# Altium PCB CL-HC-M-V2.2.PcbDoc (part 11 of 18) (continued)
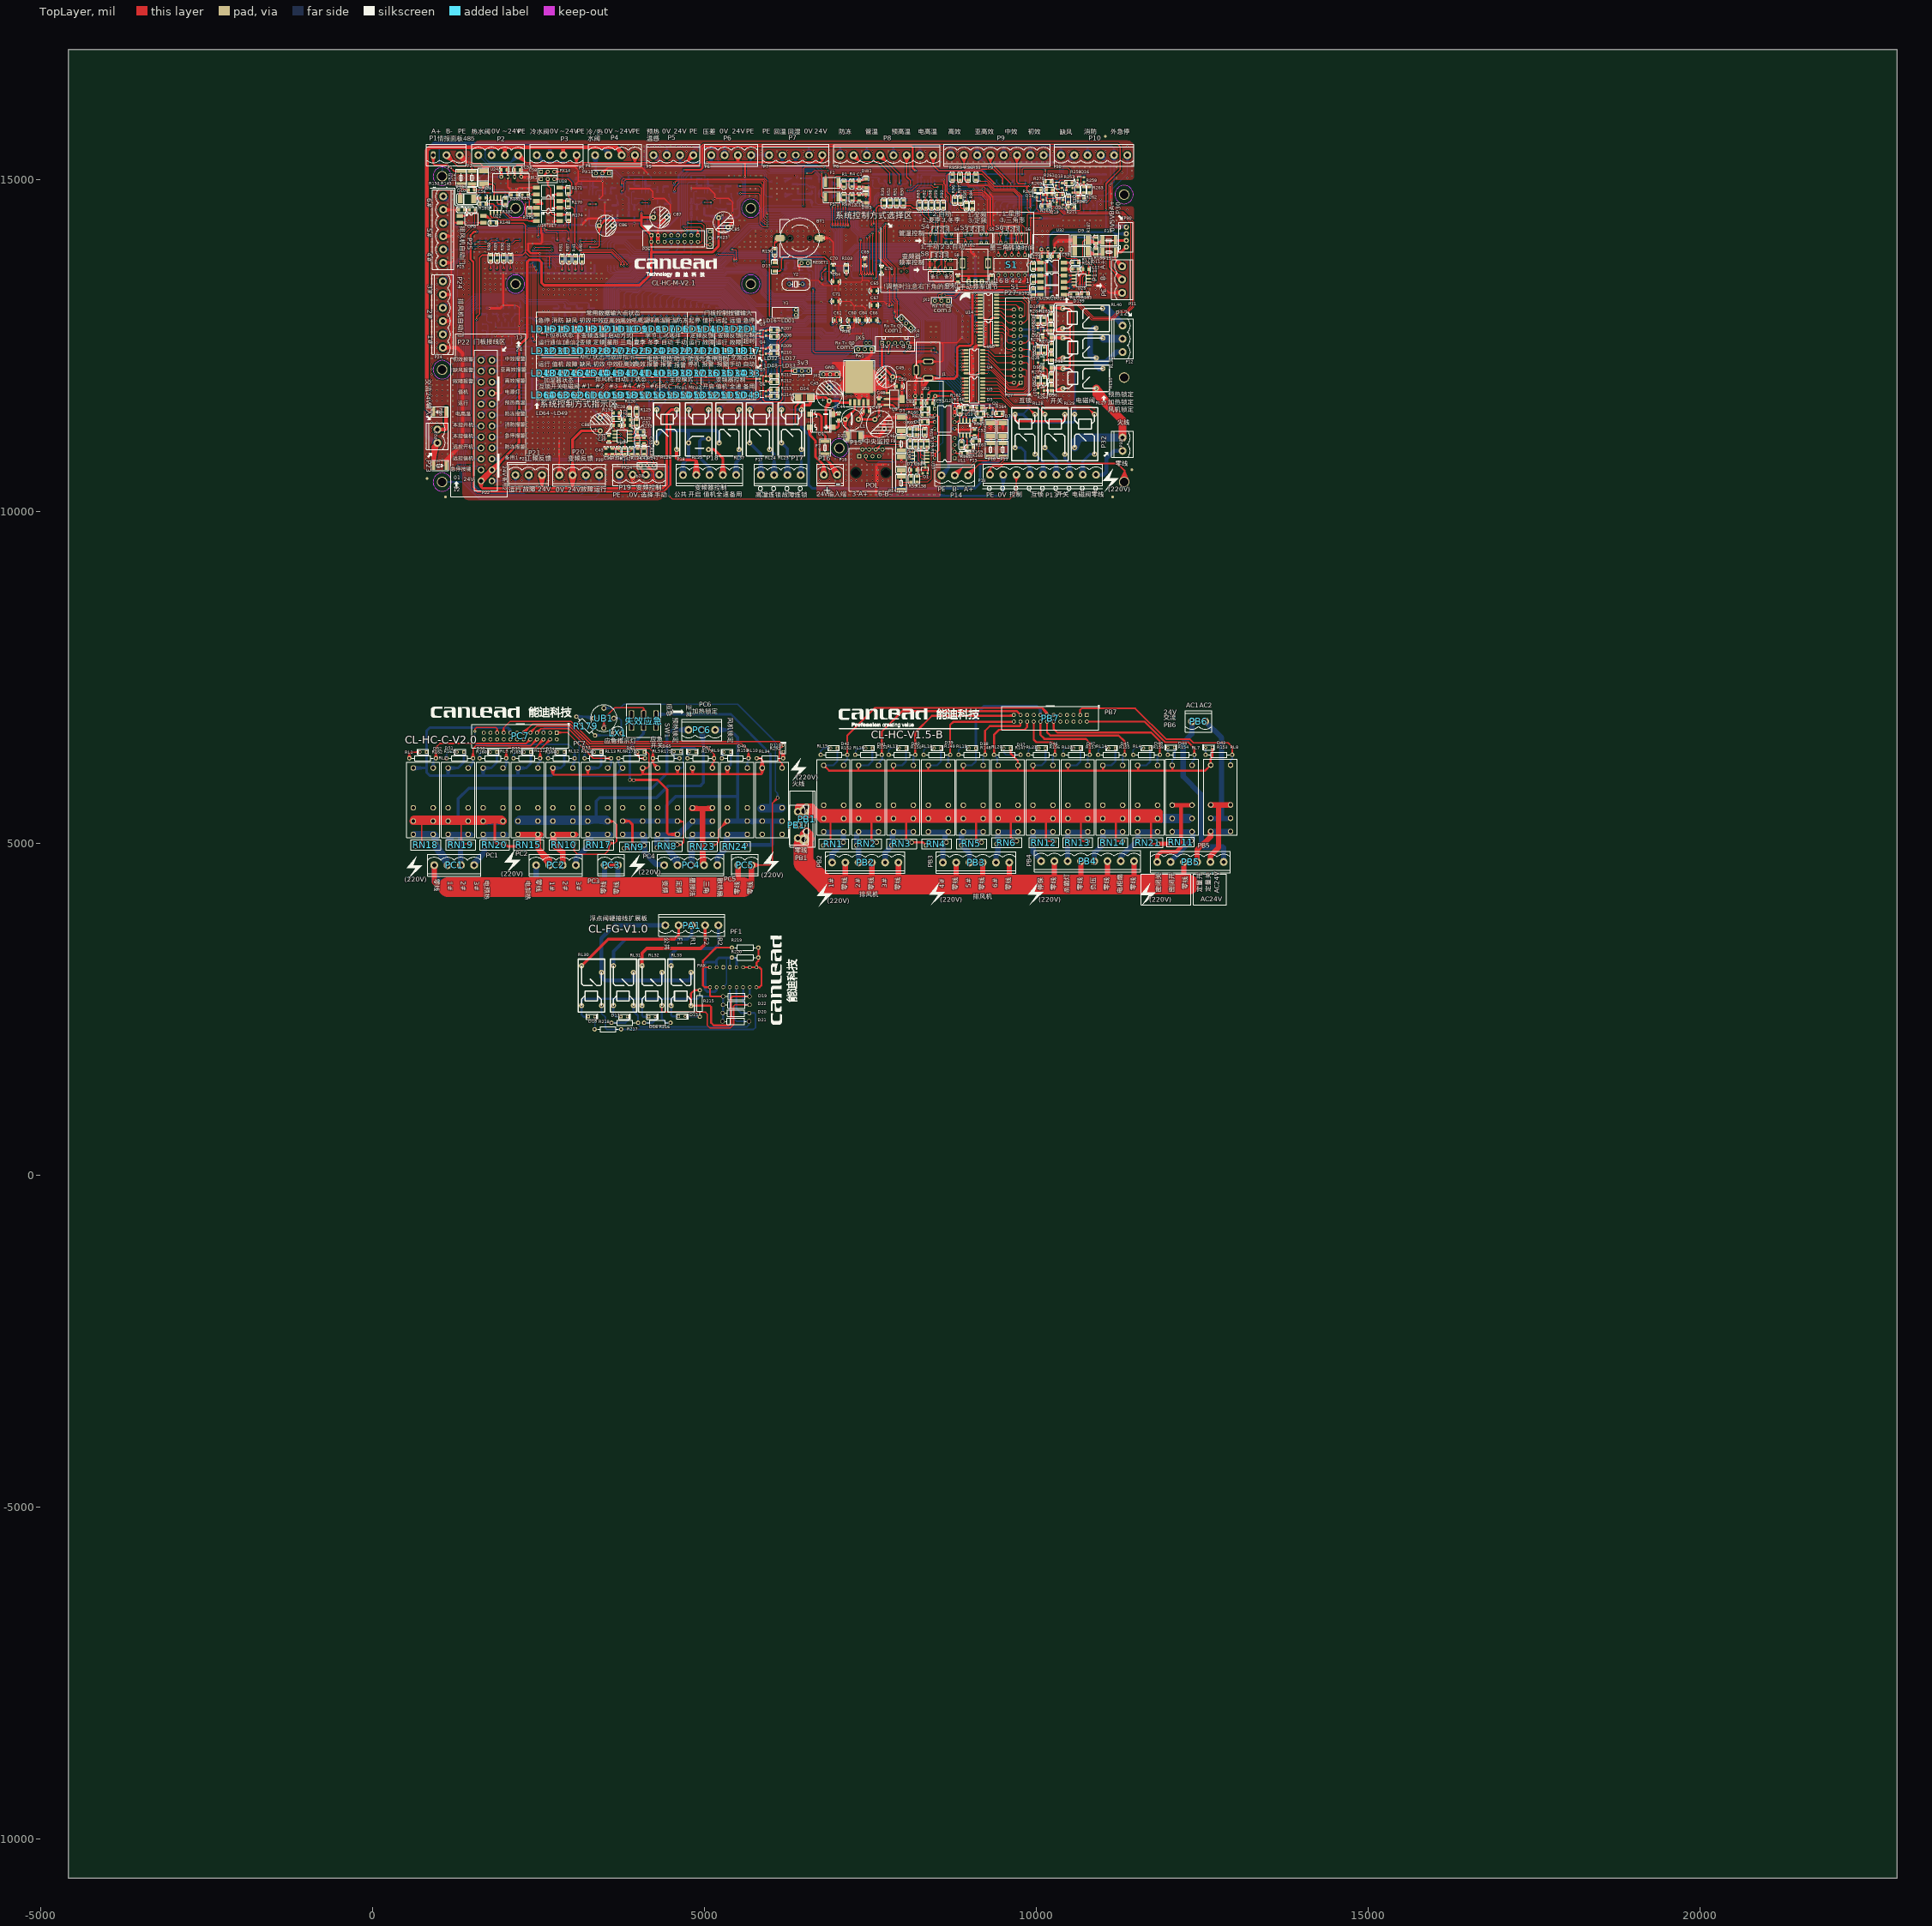
[diagram p0: TopLayer view]
## Nets (pads, with @x,y where several pads share a name; then routed paths per layer and width w, separated by ;. In a path a pad name is that pad's centre, name@x,y a point inside that pad or via, vN(x,y) a via of type N, cw(c..) or ccw(c..) an arc to the next point about the centre after c; other vN are vias at no path point) (continued)
JTCK: J2.3 U33.109 | length 948.5
  BottomLayer w10: 7612.94,12703.25 U33.109@7612.94,12738 ; U33.109@7612.94,12768.25 7612.94,12510.09 7641.78,12481.24 7815.27,12481.24 J2.3@7873.58,12539.55 7822.84,12488.81 ; J2.3@7853.53,12553.68 7822.84,12488.81 ; J2.3@7862.32,12548.73 7822.84,12488.81 ; J2.3@7882.76,12528.29 7822.84,12488.81 ; J2.3@7887.7,12519.5 7822.84,12488.81
JTMS: J2.4 U33.105 | length 799.7
  BottomLayer w10: U33.105@7695.61,12909.98 7767.2,12909.98 7972.01,12705.17 J2.4@7972.01,12539.55 ; U33.105@7725.86,12909.98 7760.61,12909.98 ; J2.4@7948,12544.6 7972.01,12599.08 ; J2.4@7957.59,12541.32 7972.01,12599.08 ; J2.4@7986.42,12541.32 7972.01,12599.08 ; J2.4@7996.01,12544.6 7972.01,12599.08
L: P32.2 pad.0@6501.78,5487.55 PB1'.3 PB1.2 RL4.4 RL7.4 RL14.4 RL15.4 RL16.4 RL17.4 RL18.4 RL19.4 RL20.4 RL21.4 RL22.4 RL27.4 RL35.4 RN1.1 RN2.1 RN3.1 RN4.1 RN5.1 RN6.1 RN11.1 RN12.1 RN13.1 RN14.1 RN21.1 | length 10736.1
  TopLayer w30: RN1.1@6793.15,4968.87 6877.6,4968.87 6901.64,4992.91 6901.64,5360.51 6893.3,5368.85 RL15.4@6802.33,5368.85 ; RN2.1@7602.79,5020.73 7539.68,5020.73 7516.17,5044.24 7516.17,5360.51 7524.51,5368.85 RL16.4@7615.49,5368.85 ; RN3.1@8123.13,5016.27 8295.76,5016.27 RN4.1@8343.15,4968.87 ; RN3.1@8128.5,5020.73 8080.53,5020.73 8041.88,5059.38 8041.88,5360.51 8050.22,5368.85 RL17.4@8141.2,5368.85 ; RN5.1@9179.93,5020.73 9131.96,5020.73 9093.31,5059.38 9093.31,5360.51 9101.65,5368.85 RL19.4@9192.62,5368.85 ; RN6.1@9705.51,5020.73 RN6.1@9705.64,5020.73 ; RN6.1@9705.51,5034.54 9675.49,5034.54 9619.02,5091.01 9619.02,5360.51 9627.36,5368.85 RL20.4@9718.33,5368.85 ; RL21.4@10248.32,5368.85 10157.34,5368.85 10149,5360.51 10149,5059.38 10173.84,5034.54 RN12.1@10254.07,5034.54 ; RL22.4@10774.03,5368.85 10683.05,5368.85 10674.71,5360.51 10674.71,5059.38 10699.56,5034.54 RN13.1@10775.51,5034.54 RN13.1@10779.78,5034.54 ; RL14.4@11299.74,5368.85 11208.77,5368.85 11200.42,5360.51 11200.42,5059.38 11225.27,5034.54 RN14.1@11305.51,5034.54 ; RL4.4@11828.22,5373.61 11737.25,5373.61 11728.9,5365.27 11728.9,5011.13 11751.17,4988.87 RN21.1@11833.98,4988.87
  TopLayer w60: RN21.1@11833.98,4988.87 11838.54,4993.43 RN11.1@12032.17,4993.43 ; 11895.09,4988.87 RN11.1@12017.01,4988.87
  TopLayer w118.11: 11165.5,11509.23 RL35.4@10904.37,11855 ; P32.2@11300.57,11114.37 11300.57,11374.16 10904.37,11770.37 ; 10904.37,11770.37 RL35.4@10904.37,11855 ; 10904.37,11770.37 RL35.4@10904.37,11855
  BottomLayer w60: RL4.4@11828.99,5375.17 11830.12,5376.29 RL7.4@12049.02,5376.29 RL7.4@12349.02,5376.29 ; 11862.34,5432.28 11880.62,5414 12311.31,5414 RL7.4@12349.02,5376.29 ; 11880.62,5338.58 11885.75,5333.44 12306.17,5333.44 RL7.4@12349.02,5376.29
  BottomLayer w118.11: 11165.5,11509.23 RL35.4@10904.37,11855 ; RL27.4@10579.6,10963.92 10579.6,11048.81 ; RL27.4@10579.6,10963.92 10645.17,11114.37 ; RL27.4@10579.6,10963.92 10579.6,11048.81 ; 10579.6,11048.81 10645.17,11114.37 ; 10645.17,11114.37 P32.2@11300.57,11114.37 11300.57,11374.16 10904.37,11770.37 ; 10904.37,11770.37 RL35.4@10904.37,11855 ; 10904.37,11770.37 RL35.4@10904.37,11855
LAMP-EX1: P22.20 U27.16 | length 5617.3
  BottomLayer w20: P22.20@1801.8,10811.96 1910.8,10795.68 ; P22.20@1803.14,10772.15 1910.8,10795.68 ; P22.20@1806.6,10831.55 1910.8,10795.68 ; P22.20@1809.23,10752.92 1910.8,10795.68 ; 5785.95,11818.83 U27.16@5860.95,11818.83 4306.72,11818.83 4168.4,11680.52 4168.4,10817.29 4146.8,10795.68 1804.35,10795.68 P22.20@1800.66,10791.99 1910.8,10795.68
LAMP-EX2: P22.24 U27.15 | length 5908.8
  BottomLayer w20: P22.24@1802.48,10441.37 1910.66,10461.29 ; P22.24@1802.48,10481.2 1910.66,10461.29 ; P22.24@1807.93,10421.95 1910.66,10461.29 ; P22.24@1807.93,10500.62 1910.66,10461.29 ; U27.15@5910.95,11793.83 5910.95,11758.55 ; U27.15@5910.95,11818.83 5910.95,11758.55 ; 1910.66,10461.29 P22.24@1800.66,10461.29 1973.82,10461.29 1990.55,10478.02 1990.55,10682.34 2075.89,10767.68 4175.65,10767.68 4199.67,10791.71 4199.67,11638.24 4300.73,11739.29 5891.69,11739.29 5910.95,11758.55
LED-COM01: R207.2 R208.2 U33.140 | length 1780.1
  TopLayer w10: R208.2@6081.3,12643.23 6096.13,12690.98 ; R207.2@6081.3,12733.73 6096.13,12685.98 ; R208.2@6096.13,12635.98 R207.2@6096.13,12740.98 6150.04,12740.98 ; R208.2@6096.13,12640.98 6096.13,12690.98 ; R207.2@6096.13,12735.98 6096.13,12685.98 ; R207.2@6098.38,12726.15 6146.13,12740.98 R207.2@6098.38,12755.81 ; R208.2@6110.96,12643.23 6096.13,12690.98 ; R207.2@6110.96,12733.73 6096.13,12685.98 ; v1@6149.68,12719.55 6150.04,12740.98 ; v1@6163.63,12724.39 6150.04,12740.98 ; 6150.04,12740.98 6157.08,12733.94 ; 6150.04,12740.98 v1(6157.08,12720.73) ; v1(6157.08,12720.73) 6157.08,12733.94 ; v1(6157.08,12720.73) 6157.08,12733.94 ; 6157.08,12733.94 6149.89,12722.86 6157.08,12733.94 ; 6157.08,12733.94 6164.27,12722.86 6157.08,12733.94
  BottomLayer w10: v1(6157.08,12720.73) 6748.74,12720.73 6799.21,12670.26 6974.29,12670.26 7002.7,12698.67 U33.140@7002.7,12768.25 ; v1@6157.74,12713.26 6199.58,12720.73 v1@6157.74,12728.2 ; 7002.7,12703.25 U33.140@7002.7,12738
LED-COM02: R209.2 R210.2 U33.139 | length 2025.1
  TopLayer w10: R210.2@6081.3,12388.23 6096.13,12435.98 ; R209.2@6081.3,12468.73 6096.13,12420.98 ; R209.2@6081.3,12483.23 6096.13,12530.98 ; R210.2@6096.13,12380.98 R209.2@6096.13,12475.98 6096.13,12567.43 6142.88,12614.18 6142.88,12668.99 6151.51,12677.61 ; R210.2@6096.13,12385.98 6096.13,12435.98 ; R209.2@6096.13,12470.98 6096.13,12420.98 ; R209.2@6096.13,12480.98 6096.13,12530.98 ; R210.2@6110.96,12388.23 6096.13,12435.98 ; R209.2@6110.96,12468.73 6096.13,12420.98 ; R209.2@6110.96,12483.23 6096.13,12530.98 ; v1@6185.72,12670.15 6151.51,12677.61 ; v1@6185.72,12685.07 6151.51,12677.61 ; 6151.51,12677.61 v1(6186.52,12677.61) 6151.51,12677.61
  BottomLayer w10: v1@6182.43,12683.9 6218.24,12702.73 ; v1@6191.7,12672.19 6218.24,12702.73 ; 7022.39,12703.25 U33.139@7022.39,12738 ; U33.139@7022.39,12768.25 7022.39,12692.9 6981.75,12652.26 6791.75,12652.26 6741.29,12702.73 6218.24,12702.73 ; 6218.24,12702.73 6193.12,12677.61 v1(6186.52,12677.61) 6218.24,12702.73
LED-COM03: R211.2 R212.2 U33.137 | length 2441.3
  TopLayer w10: R212.2@6081.3,11958.23 6096.13,12005.98 ; R211.2@6081.3,12033.73 6096.13,11985.98 ; R211.2@6081.3,12048.23 6096.13,12095.98 ; R212.2@6096.13,11950.98 6096.13,12166.07 6136.79,12206.73 6136.79,12565.74 6214.43,12643.37 v1(6214.43,12649.19) 6183.73,12612.68 ; R212.2@6096.13,11955.98 6096.13,12005.98 ; R211.2@6096.13,12035.98 6096.13,11985.98 ; R211.2@6096.13,12045.98 6096.13,12095.98 ; R212.2@6110.96,11958.23 6096.13,12005.98 ; R211.2@6110.96,12033.73 6096.13,11985.98 ; R211.2@6110.96,12048.23 6096.13,12095.98 ; v1@6208.33,12653.55 6183.73,12612.68 ; v1@6219.77,12643.93 6183.73,12612.68
  BottomLayer w10: v1@6209.56,12654.9 6248.14,12682.91 v1@6220.13,12644.33 ; v1(6214.43,12649.19) 6249.96,12684.73 6733.83,12684.73 6784.3,12634.26 6989.2,12634.26 7061.76,12706.82 ; U33.137@7061.76,12738 7061.76,12706.82 ; U33.137@7061.76,12768.25 7061.76,12706.82
LED-COM04: R213.2 R214.2 U33.136 | length 2638.9
  TopLayer w10: R214.2@6081.3,11743.23 6096.13,11790.98 ; R213.2@6081.3,11828.73 6096.13,11780.98 ; R213.2@6081.78,11845.35 6096.13,11866.7 ; R214.2@6096.13,11735.98 6096.13,11866.7 ; R214.2@6096.13,11740.98 6096.13,11790.98 ; R213.2@6096.13,11830.98 6096.13,11780.98 ; R213.2@6096.13,11840.98 6096.13,11866.7 ; R213.2@6110.48,11845.36 6096.13,11866.7 ; R214.2@6110.96,11743.23 6096.13,11790.98 ; R213.2@6110.96,11828.73 6096.13,11780.98 ; v1@6236.63,12625.65 6208.62,12587.07 ; v1@6247.21,12615.08 6208.62,12587.07 ; 6096.13,11866.7 6154.79,11925.36 6154.79,12533.24 v1(6242.34,12620.78) 6208.62,12587.07
  BottomLayer w10: v1@6237.42,12626.45 6275.72,12654.67 ; v1@6240.81,12619.76 6281.64,12660.59 6723.83,12660.59 6774.3,12610.12 7012.08,12610.12 7081.44,12679.48 U33.136@7081.44,12768.25 ; v1(6242.34,12620.78) 6275.72,12654.67 ; v1@6248.08,12615.95 6275.72,12654.67 ; 7081.44,12703.25 U33.136@7081.44,12738
LED-OUT-PIN01: LD1.K LD17.K LD33.K LD49.K R191.2 | length 6477.1
  TopLayer w10: v1(5164.04,12270.16) 5245.98,12270.16 5337.74,12178.4 5673.94,12178.4 5702.17,12150.16 LD33.K@5702.17,12086.56 ; v1(5164.04,12603.14) 5245.98,12603.14 5337.74,12511.38 5673.94,12511.38 5702.17,12483.15 LD17.K@5702.17,12419.54 ; v1(5164.04,12930.77) 5245.98,12930.77 5337.74,12839.01 5673.94,12839.01 5702.17,12810.77 LD1.K@5702.17,12747.17 ; v1(5164.58,11937.18) 5246.53,11937.18 5338.29,11845.42 5674.48,11845.42 5702.72,11817.18 LD49.K@5702.72,11753.58 ; v1@5164.7,12262.69 5206.54,12270.16 v1@5164.7,12277.63 ; v1@5164.7,12595.67 5206.54,12603.14 v1@5164.7,12610.61 ; v1@5164.7,12923.29 5206.54,12930.77 v1@5164.7,12938.24 ; v1@5165.24,11929.7 5207.08,11937.18 v1@5165.24,11944.65 ; LD33.K@5682.51,12090.19 5702.17,12141.56 ; LD17.K@5682.51,12423.18 5702.17,12474.54 ; LD1.K@5682.51,12750.8 5702.17,12802.17 ; LD49.K@5683.05,11757.21 5702.72,11808.58 ; LD33.K@5692.21,12087.47 5702.17,12141.56 ; LD17.K@5692.21,12420.45 5702.17,12474.54 ; LD1.K@5692.21,12748.07 5702.17,12802.17 ; LD49.K@5692.76,11754.48 5702.72,11808.58 ; LD33.K@5712.13,12087.47 5702.17,12141.56 ; LD17.K@5712.13,12420.45 5702.17,12474.54 ; LD1.K@5712.13,12748.07 5702.17,12802.17 ; LD49.K@5712.68,11754.48 5702.72,11808.58 ; LD33.K@5721.84,12090.19 5702.17,12141.56 ; LD17.K@5721.84,12423.18 5702.17,12474.54 ; LD1.K@5721.84,12750.8 5702.17,12802.17 ; LD49.K@5722.38,11757.21 5702.72,11808.58
  BottomLayer w10: R191.2@5148.67,12983.84 5163.5,12936.09 R191.2@5178.33,12983.84 ; v1@5156.56,12269.59 5163.5,12227.65 ; v1@5156.56,12270.73 5163.5,12312.67 ; v1@5156.57,12602.51 5163.86,12560.64 v1@5171.51,12602.45 ; v1@5156.56,12602.57 5163.5,12560.63 ; v1@5156.56,12603.71 5163.5,12645.65 ; v1@5156.56,12930.2 5163.5,12888.25 ; v1@5156.56,12931.33 R191.2@5163.5,12973.27 ; v1@5156.67,12929.35 R191.2@5152.29,12972.2 ; v1@5156.97,12933.26 R191.2@5174.82,12972.54 ; v1@5157.1,11937.65 5163.5,11979.72 ; v1@5163.5,11937.18 5163.5,12489.78 5164.04,12363.38 ; R191.2@5163.5,12986.09 5163.5,12476.74 v1(5164.04,12603.14) ; v1(5164.58,11937.18) 5163.5,11979.72 ; v1@5171.05,12933.43 R191.2@5152.29,12972.2 ; v1@5171.44,12929.53 R191.2@5174.82,12972.54 ; v1@5171.5,12269.4 5163.5,12227.65 ; v1@5171.5,12270.91 5163.5,12312.67 ; v1@5171.5,12602.39 5163.5,12560.63 ; v1@5171.5,12603.9 5163.5,12645.65 ; v1@5171.5,12930.01 5163.5,12888.25 ; v1@5171.5,12931.52 R191.2@5163.5,12973.27 ; v1@5172.03,11938.03 5163.5,11979.72 ; R191.2@5152.29,12972.2 v1(5164.04,12930.77) ; 5163.5,12227.65 v1(5164.04,12270.16) 5163.5,12312.67 ; 5163.5,12560.63 v1(5164.04,12603.14) ; 5163.5,12645.65 v1(5164.04,12603.14) ; 5163.5,12888.25 v1(5164.04,12930.77) ; R191.2@5163.5,12973.27 v1(5164.04,12930.77) ; v1(5164.04,12930.77) R191.2@5174.82,12972.54
LED-OUT-PIN02: LD2.K LD18.K LD34.K LD50.K R192.2 | length 6109.7
  TopLayer w10: v1(5072.81,12270.16) 5109.33,12270.16 ; v1(5072.81,12603.14) 5109.33,12603.14 ; v1(5072.81,12930.77) 5109.33,12930.77 ; v1(5073.36,11937.18) 5109.87,11937.18 ; v1@5073.58,12262.7 5109.33,12270.16 ; v1@5073.58,12277.62 5109.33,12270.16 ; v1@5073.58,12595.68 5109.33,12603.14 ; v1@5073.58,12610.6 5109.33,12603.14 ; v1@5073.58,12923.31 5109.33,12930.77 ; v1@5073.58,12938.23 5109.33,12930.77 ; v1@5074.13,11929.72 5109.87,11937.18 ; v1@5074.13,11944.64 5109.87,11937.18 ; LD34.K@5476.72,12090.2 5496.38,12141.56 ; LD18.K@5476.71,12423.18 5496.38,12474.54 ; LD2.K@5476.72,12750.8 5496.38,12802.17 ; LD50.K@5477.26,11757.21 5496.93,11808.58 ; LD34.K@5486.42,12087.47 5496.38,12141.56 ; LD18.K@5486.42,12420.45 5496.38,12474.54 ; LD2.K@5486.42,12748.07 5496.38,12802.17 ; LD50.K@5486.97,11754.48 5496.93,11808.58 ; LD2.K@5496.38,12747.17 5496.38,12810.69 5486.07,12821.01 5328.57,12821.01 5246.93,12902.65 5137.44,12902.65 5109.33,12930.77 ; LD34.K@5506.34,12087.47 5496.38,12141.56 ; LD18.K@5506.34,12420.45 5496.38,12474.54 ; LD2.K@5506.34,12748.07 5496.38,12802.17 ; LD50.K@5506.88,11754.48 5496.93,11808.58 ; LD34.K@5516.05,12090.19 5496.38,12141.56 ; LD18.K@5516.05,12423.18 5496.38,12474.54 ; LD2.K@5516.05,12750.8 5496.38,12802.17 ; LD50.K@5516.59,11757.21 5496.93,11808.58 ; 5109.33,12270.16 5137.44,12242.05 5246.93,12242.05 5328.57,12160.4 5486.07,12160.4 5496.38,12150.08 LD34.K@5496.38,12086.56 5496.38,12141.56 ; 5109.33,12603.14 5137.44,12575.03 5246.93,12575.03 5328.57,12493.38 5486.07,12493.38 5496.38,12483.06 LD18.K@5496.38,12419.54 5496.38,12474.54 ; 5109.87,11937.18 5137.98,11909.06 5247.47,11909.06 5329.12,11827.42 5486.61,11827.42 5496.93,11817.1 LD50.K@5496.93,11753.58 5496.93,11808.58
  BottomLayer w10: R192.2@5057.44,12983.84 5072.28,12936.09 R192.2@5087.11,12983.84 ; v1@5065.33,12269.59 5072.28,12227.65 ; v1@5065.33,12270.73 5072.28,12312.67 ; v1@5065.34,12602.51 5072.62,12560.64 v1@5080.28,12602.45 ; v1@5065.33,12602.57 5072.28,12560.63 ; v1@5065.33,12603.71 5072.28,12645.65 ; v1@5065.33,12930.2 5072.28,12888.25 ; v1@5065.33,12931.33 R192.2@5072.28,12973.27 ; v1@5065.45,12929.35 R192.2@5061.06,12972.2 ; v1@5065.74,12933.26 R192.2@5083.6,12972.54 ; v1@5065.87,11937.65 5072.28,11979.72 ; v1@5072.28,11937.18 5072.28,12483.26 ; R192.2@5072.28,12986.09 5072.28,12483.26 ; 5072.81,12363.38 5072.28,12483.26 ; v1(5073.36,11937.18) 5072.28,11979.72 ; v1@5079.82,12933.43 R192.2@5061.06,12972.2 ; v1@5080.21,12929.53 R192.2@5083.6,12972.54 ; v1@5080.27,12269.4 5072.28,12227.65 ; v1@5080.27,12270.91 5072.28,12312.67 ; v1@5080.27,12602.39 5072.28,12560.63 ; v1@5080.27,12603.9 5072.28,12645.65 ; v1@5080.27,12930.01 5072.28,12888.25 ; v1@5080.27,12931.52 R192.2@5072.28,12973.27 ; v1@5080.81,11938.03 5072.28,11979.72 ; R192.2@5061.06,12972.2 v1(5072.81,12930.77) ; 5072.28,12227.65 v1(5072.81,12270.16) 5072.28,12312.67 ; 5072.28,12483.26 v1(5072.81,12603.14) ; 5072.28,12560.63 v1(5072.81,12603.14) ; 5072.28,12645.65 v1(5072.81,12603.14) ; 5072.28,12888.25 v1(5072.81,12930.77) ; R192.2@5072.28,12973.27 v1(5072.81,12930.77) ; v1(5072.81,12930.77) R192.2@5083.6,12972.54
LED-OUT-PIN03: LD3.K LD19.K LD35.K LD51.K R193.2 | length 5723.9
  TopLayer w10: v1(4981.59,12270.16) 5032.74,12270.16 5078.86,12224.05 5239.47,12224.05 5290.59,12172.92 LD35.K@5290.59,12086.56 5290.59,12141.56 ; v1(4981.59,12603.14) 5032.74,12603.14 5078.86,12557.03 5239.47,12557.03 5290.59,12505.91 LD19.K@5290.59,12419.54 ; v1(4981.59,12930.77) 5032.74,12930.77 5078.86,12884.65 5239.47,12884.65 5290.59,12833.53 LD3.K@5290.59,12747.17 ; v1(4982.13,11937.18) 5033.29,11937.18 5079.4,11891.06 5240.01,11891.06 5291.14,11839.94 LD51.K@5291.14,11753.58 5291.14,11808.58 ; v1@4982.25,12262.69 5024.09,12270.16 v1@4982.25,12277.63 ; v1@4982.25,12595.67 5024.09,12603.14 v1@4982.25,12610.61 ; v1@4982.25,12923.29 5024.09,12930.77 v1@4982.25,12938.24 ; v1@4982.79,11929.7 5024.63,11937.18 v1@4982.79,11944.65 ; LD35.K@5270.93,12090.19 5290.59,12141.56 ; LD19.K@5270.92,12423.18 5290.59,12474.54 ; LD3.K@5270.92,12750.8 5290.59,12802.17 ; LD51.K@5271.47,11757.21 5291.14,11808.58 ; LD35.K@5280.63,12087.47 5290.59,12141.56 ; LD19.K@5280.63,12420.45 5290.59,12474.54 ; LD3.K@5280.63,12748.07 5290.59,12802.17 ; LD51.K@5281.18,11754.48 5291.14,11808.58 ; LD35.K@5300.55,12087.47 5290.59,12141.56 ; LD19.K@5300.55,12420.45 5290.59,12474.54 ; LD3.K@5300.55,12748.07 5290.59,12802.17 ; LD51.K@5301.09,11754.48 5291.14,11808.58 ; LD19.K@5310.26,12423.18 5290.59,12474.54 ; LD3.K@5310.26,12750.8 5290.59,12802.17 ; LD35.K@5310.26,12090.2 5290.59,12141.56 ; LD51.K@5310.8,11757.21 5291.14,11808.58
  BottomLayer w10: R193.2@4966.22,12983.84 4981.05,12936.09 R193.2@4995.88,12983.84 ; v1@4974.11,12269.59 4981.05,12227.65 ; v1@4974.11,12270.73 4981.05,12312.67 ; v1@4974.11,12602.57 4981.05,12560.63 ; v1@4974.11,12603.71 4981.05,12645.65 ; v1@4974.11,12930.2 4981.05,12888.25 ; v1@4974.11,12931.33 R193.2@4981.05,12973.27 ; v1@4974.11,12602.51 4981.4,12560.64 v1@4989.05,12602.45 ; v1@4974.22,12929.36 R193.2@4969.83,12972.2 ; v1@4974.51,12933.26 R193.2@4992.37,12972.54 ; v1@4974.64,11937.65 4981.05,11979.72 ; v1@4981.05,11937.18 4981.05,12489.78 4981.59,12363.38 ; R193.2@4981.05,12986.09 4981.05,12476.74 v1(4981.59,12603.14) ; v1(4982.13,11937.18) 4981.05,11979.72 ; v1@4988.6,12933.43 R193.2@4969.83,12972.2 ; v1@4988.98,12929.53 R193.2@4992.37,12972.54 ; v1@4989.05,12269.4 4981.05,12227.65 ; v1@4989.05,12270.91 4981.05,12312.67 ; v1@4989.05,12602.39 4981.05,12560.63 ; v1@4989.05,12603.9 4981.05,12645.65 ; v1@4989.05,12930.01 4981.05,12888.25 ; v1@4989.05,12931.52 R193.2@4981.05,12973.27 ; v1@4989.58,11938.03 4981.05,11979.72 ; R193.2@4969.83,12972.2 v1(4981.59,12930.77) ; 4981.05,12227.65 v1(4981.59,12270.16) 4981.05,12312.67 ; 4981.05,12560.63 v1(4981.59,12603.14) ; 4981.05,12645.65 v1(4981.59,12603.14) ; 4981.05,12888.25 v1(4981.59,12930.77) ; R193.2@4981.05,12973.27 v1(4981.59,12930.77) ; v1(4981.59,12930.77) R193.2@4992.37,12972.54
LED-OUT-PIN04: LD4.K LD20.K LD36.K LD52.K R194.2 | length 5175.8
  TopLayer w10: v1(4890.36,12270.16) 4938.82,12270.16 4966.39,12242.59 5034.86,12242.59 5084.8,12192.65 LD36.K@5084.8,12086.56 ; v1(4890.36,12603.14) 4938.82,12603.14 4966.39,12575.57 5034.86,12575.57 5084.8,12525.63 LD20.K@5084.8,12419.54 ; v1(4890.36,12930.77) 4938.82,12930.77 4966.39,12903.2 5034.86,12903.2 5084.8,12853.25 LD4.K@5084.8,12747.17 ; v1(4890.9,11937.18) 4939.37,11937.18 4966.93,11909.61 5035.4,11909.61 5085.35,11859.66 LD52.K@5085.35,11753.58 ; v1@4891.02,12262.69 4932.86,12270.16 v1@4891.02,12277.63 ; v1@4891.02,12595.67 4932.86,12603.14 v1@4891.02,12610.61 ; v1@4891.02,12923.29 4932.86,12930.77 v1@4891.02,12938.24 ; v1@4891.56,11929.7 4933.4,11937.18 v1@4891.56,11944.65 ; LD36.K@5065.13,12090.19 5084.8,12141.56 ; LD20.K@5065.13,12423.18 5084.8,12474.54 ; LD4.K@5065.13,12750.8 5084.8,12802.17 ; LD52.K@5065.68,11757.21 5085.35,11808.58 ; LD36.K@5074.84,12087.47 5084.8,12141.56 ; LD20.K@5074.84,12420.45 5084.8,12474.54 ; LD4.K@5074.84,12748.07 5084.8,12802.17 ; LD52.K@5075.39,11754.48 5085.35,11808.58 ; LD36.K@5094.76,12087.47 5084.8,12141.56 ; LD20.K@5094.76,12420.45 5084.8,12474.54 ; LD4.K@5094.76,12748.07 5084.8,12802.17 ; LD52.K@5095.3,11754.48 5085.35,11808.58 ; LD36.K@5104.47,12090.19 5084.8,12141.56 ; LD20.K@5104.47,12423.18 5084.8,12474.54 ; LD4.K@5104.47,12750.8 5084.8,12802.17 ; LD52.K@5105.01,11757.21 5085.35,11808.58
  BottomLayer w10: R194.2@4874.99,12983.84 4889.82,12936.09 R194.2@4904.65,12983.84 ; v1@4882.88,12269.59 4889.82,12227.65 ; v1@4882.88,12270.73 4889.82,12312.67 ; v1@4882.89,12602.51 4890.17,12560.64 v1@4897.83,12602.45 ; v1@4882.88,12602.57 4889.82,12560.63 ; v1@4882.88,12603.71 4889.82,12645.65 ; v1@4882.88,12930.2 4889.82,12888.25 ; v1@4882.88,12931.33 R194.2@4889.82,12973.27 ; v1@4882.99,12929.36 R194.2@4878.61,12972.2 ; v1@4883.29,12933.26 R194.2@4901.14,12972.54 ; v1@4883.42,11937.65 4889.82,11979.72 ; v1@4889.82,11937.18 4889.82,12483.26 ; R194.2@4889.82,12986.09 4889.82,12483.26 ; 4890.36,12363.38 4889.82,12483.26 ; v1(4890.9,11937.18) 4889.82,11979.72 ; v1@4897.37,12933.43 R194.2@4878.61,12972.2 ; v1@4897.76,12929.53 R194.2@4901.14,12972.54 ; v1@4897.82,12269.4 4889.82,12227.65 ; v1@4897.82,12270.91 4889.82,12312.67 ; v1@4897.82,12602.39 4889.82,12560.63 ; v1@4897.82,12603.9 4889.82,12645.65 ; v1@4897.82,12930.01 4889.82,12888.25 ; v1@4897.82,12931.52 R194.2@4889.82,12973.27 ; v1@4898.35,11938.03 4889.82,11979.72 ; R194.2@4878.61,12972.2 v1(4890.36,12930.77) ; 4889.82,12227.65 v1(4890.36,12270.16) 4889.82,12312.67 ; 4889.82,12483.26 v1(4890.36,12603.14) ; 4889.82,12560.63 v1(4890.36,12603.14) ; 4889.82,12645.65 v1(4890.36,12603.14) ; 4889.82,12888.25 v1(4890.36,12930.77) ; R194.2@4889.82,12973.27 v1(4890.36,12930.77) ; v1(4890.36,12930.77) R194.2@4901.14,12972.54
LED-OUT-PIN05: LD5.K LD21.K LD37.K LD53.K R195.2 | length 4970.1
  TopLayer w10: v1(4799.13,12270.16) 4837.28,12270.16 ; v1(4799.13,12603.14) 4837.28,12603.14 ; v1(4799.13,12930.77) 4837.28,12930.77 ; v1(4799.68,11937.18) 4837.82,11937.18 ; v1@4799.87,12262.69 4837.28,12270.16 ; v1@4799.87,12277.62 4837.28,12270.16 ; v1@4799.87,12595.68 4837.28,12603.14 ; v1@4799.87,12610.61 4837.28,12603.14 ; v1@4799.87,12923.3 4837.28,12930.77 ; v1@4799.87,12938.23 4837.28,12930.77 ; v1@4800.41,11929.71 4837.82,11937.18 ; v1@4800.41,11944.64 4837.82,11937.18 ; LD37.K@4859.34,12090.19 4879.01,12141.56 ; LD21.K@4859.34,12423.18 4879.01,12474.54 ; LD5.K@4859.34,12750.8 4879.01,12802.17 ; LD53.K@4859.89,11757.21 4879.56,11808.58 ; LD37.K@4869.05,12087.47 4879.01,12141.56 ; LD21.K@4869.05,12420.45 4879.01,12474.54 ; LD5.K@4869.05,12748.07 4879.01,12802.17 ; LD53.K@4869.6,11754.48 4879.56,11808.58 ; LD37.K@4879.01,12086.56 4879.01,12228.43 4837.28,12270.16 ; LD21.K@4879.01,12419.54 4879.01,12561.41 4837.28,12603.14 ; LD5.K@4879.01,12747.17 4879.01,12889.03 4837.28,12930.77 ; LD53.K@4879.56,11753.58 4879.56,11895.44 4837.82,11937.18 ; LD37.K@4888.97,12087.47 4879.01,12141.56 ; LD21.K@4888.97,12420.45 4879.01,12474.54 ; LD5.K@4888.97,12748.07 4879.01,12802.17 ; LD53.K@4889.51,11754.48 4879.56,11808.58 ; LD37.K@4898.68,12090.19 4879.01,12141.56 ; LD21.K@4898.68,12423.18 4879.01,12474.54 ; LD5.K@4898.68,12750.8 4879.01,12802.17 ; LD53.K@4899.22,11757.21 4879.56,11808.58
  BottomLayer w10: R195.2@4783.77,12983.84 v1@4798.6,12936.09 ; v1@4791.65,12269.59 4798.6,12227.65 ; v1@4791.65,12270.73 4798.6,12312.67 ; v1@4791.65,12602.57 4798.6,12560.63 ; v1@4791.65,12603.71 4798.6,12645.65 ; v1@4791.65,12930.2 4798.6,12888.25 ; v1@4791.66,12602.51 4798.95,12560.64 v1@4806.6,12602.45 ; v1@4791.77,12929.36 R195.2@4787.38,12972.2 ; v1@4792.06,12933.26 R195.2@4809.92,12972.54 ; v1@4792.19,11937.65 4798.6,11979.72 ; v1@4798.6,11937.18 4798.6,12489.78 4799.13,12363.38 ; v1(4799.68,11937.18) 4798.6,11979.72 ; v1@4806.14,12933.43 R195.2@4787.38,12972.2 ; v1@4806.53,12929.53 R195.2@4809.92,12972.54 ; v1@4806.59,12269.4 4798.6,12227.65 ; v1@4806.59,12270.91 4798.6,12312.67 ; v1@4806.59,12602.39 4798.6,12560.63 ; v1@4806.59,12603.9 4798.6,12645.65 ; v1@4806.59,12930.01 4798.6,12888.25 ; v1@4807.13,11938.03 4798.6,11979.72 ; R195.2@4813.43,12983.84 v1@4798.6,12936.09 ; R195.2@4787.38,12972.2 v1(4799.13,12930.77) ; 4798.6,12227.65 v1(4799.13,12270.16) 4798.6,12312.67 ; 4798.6,12560.63 v1(4799.13,12603.14) ; 4798.6,12645.65 v1(4799.13,12603.14) ; 4798.6,12888.25 v1(4799.13,12930.77) ; v1@4798.6,12936.09 R195.2@4798.6,12986.09 4798.6,12476.74 v1(4799.13,12603.14) ; R195.2@4798.6,12973.28 4791.65,12931.33 R195.2@4798.6,12973.27 ; R195.2@4798.6,12973.28 4806.59,12931.52 R195.2@4798.6,12973.27 ; R195.2@4798.6,12973.28 v1(4799.13,12930.77) ; R195.2@4798.6,12973.27 v1(4799.13,12930.77) ; v1(4799.13,12930.77) R195.2@4809.92,12972.54
LED-OUT-PIN06: LD6.K LD22.K LD38.K LD54.K R196.2 | length 4856.9
  TopLayer w10: LD38.K@4653.55,12090.19 4673.22,12141.56 ; LD22.K@4653.55,12423.18 4673.22,12474.54 ; LD6.K@4653.55,12750.8 4673.22,12802.17 ; LD54.K@4654.1,11757.21 4673.77,11808.58 ; LD38.K@4663.26,12087.47 4673.22,12141.56 ; LD22.K@4663.26,12420.45 4673.22,12474.54 ; LD6.K@4663.26,12748.07 4673.22,12802.17 ; LD54.K@4663.81,11754.48 4673.77,11808.58 ; LD38.K@4673.22,12086.56 4673.22,12235.25 v1(4708.13,12270.16) ; LD22.K@4673.22,12419.54 4673.22,12568.23 v1(4708.13,12603.14) ; LD6.K@4673.22,12747.17 4673.22,12895.85 v1(4708.13,12930.77) ; LD54.K@4673.77,11753.58 4673.77,11902.26 v1(4708.68,11937.18) ; LD38.K@4683.18,12087.47 4673.22,12141.56 ; LD22.K@4683.18,12420.45 4673.22,12474.54 ; LD6.K@4683.18,12748.07 4673.22,12802.17 ; LD54.K@4683.72,11754.48 4673.77,11808.58 ; LD38.K@4692.89,12090.19 4673.22,12141.56 ; LD22.K@4692.89,12423.18 4673.22,12474.54 ; LD6.K@4692.89,12750.8 4673.22,12802.17 ; LD54.K@4693.43,11757.21 4673.77,11808.58 ; v1@4702.43,12275.03 4674.42,12236.45 v1@4713,12264.45 ; v1@4702.43,12608.01 4674.42,12569.43 v1@4713,12597.44 ; v1@4702.43,12935.64 4674.42,12897.05 v1@4713,12925.06 ; v1@4702.97,11942.05 4674.96,11903.46 v1@4713.55,11931.47
  BottomLayer w10: R196.2@4692.54,12983.84 v1@4707.37,12936.09 ; v1@4700.65,12269.63 4707.37,12227.64 ; v1@4700.65,12270.69 4707.37,12312.68 ; v1@4700.65,12602.61 4707.37,12560.62 ; v1@4700.65,12603.67 4707.37,12645.66 ; v1@4700.65,12930.24 4707.37,12888.24 ; v1@4700.66,12602.53 4707.86,12560.64 v1@4715.6,12602.43 ; v1@4700.77,12929.32 R196.2@4696.18,12972.13 ; v1@4701.05,12933.23 R196.2@4718.72,12972.62 ; v1@4701.19,11937.61 4707.37,11979.74 ; v1@4707.37,11937.18 4707.37,12483.26 ; 4708.13,12363.38 4707.37,12483.26 ; v1(4708.68,11937.18) 4707.37,11979.74 ; v1@4715.13,12933.47 R196.2@4696.18,12972.13 ; v1@4715.54,12929.57 R196.2@4718.72,12972.62 ; v1@4715.59,12269.36 4707.37,12227.64 ; v1@4715.59,12270.95 4707.37,12312.68 ; v1@4715.59,12602.35 4707.37,12560.62 ; v1@4715.59,12603.94 4707.37,12645.66 ; v1@4715.59,12929.97 4707.37,12888.24 ; v1@4716.12,11938.07 4707.37,11979.74 ; R196.2@4722.2,12983.84 v1@4707.37,12936.09 ; R196.2@4696.18,12972.13 v1(4708.13,12930.77) ; 4707.37,12227.64 v1(4708.13,12270.16) 4707.37,12312.68 ; 4707.37,12483.26 v1(4708.13,12603.14) ; 4707.37,12483.26 R196.2@4707.37,12986.09 v1@4707.37,12936.09 ; 4707.37,12560.62 v1(4708.13,12603.14) ; 4707.37,12645.66 v1(4708.13,12603.14) ; 4707.37,12888.24 v1(4708.13,12930.77) ; R196.2@4707.37,12973.29 4700.65,12931.29 R196.2@4707.37,12973.28 ; R196.2@4707.37,12973.29 4715.59,12931.56 R196.2@4707.37,12973.28 ; R196.2@4707.37,12973.29 v1(4708.13,12930.77) ; R196.2@4707.37,12973.28 v1(4708.13,12930.77) ; v1(4708.13,12930.77) R196.2@4718.72,12972.62
LED-OUT-PIN07: LD7.K LD23.K LD39.K LD55.K R197.2 | length 4734.4
  TopLayer w10: LD39.K@4447.76,12090.19 4467.43,12141.56 ; LD23.K@4447.76,12423.18 4467.43,12474.54 ; LD7.K@4447.76,12750.8 4467.43,12802.17 ; LD55.K@4448.31,11757.21 4467.97,11808.58 ; LD39.K@4457.47,12087.47 4467.43,12141.56 ; LD23.K@4457.47,12420.45 4467.43,12474.54 ; LD7.K@4457.47,12748.07 4467.43,12802.17 ; LD55.K@4458.02,11754.48 4467.97,11808.58 ; LD23.K@4467.43,12419.54 4467.43,12554.46 4484.74,12571.77 4584.76,12571.77 ; LD7.K@4467.43,12747.17 4467.43,12882.09 4484.74,12899.4 4584.76,12899.4 ; LD39.K@4477.39,12087.47 4467.43,12141.56 ; LD23.K@4477.39,12420.45 4467.43,12474.54 ; LD7.K@4477.39,12748.07 4467.43,12802.17 ; LD55.K@4477.93,11754.48 4467.97,11808.58 ; LD39.K@4487.1,12090.2 4467.43,12141.56 ; LD23.K@4487.1,12423.18 4467.43,12474.54 ; LD7.K@4487.1,12750.8 4467.43,12802.17 ; LD55.K@4487.64,11757.21 4467.97,11808.58 ; v1@4610.4,12274.99 4584.76,12238.79 ; v1@4610.4,12607.98 4584.76,12571.77 ; v1@4610.4,12935.6 4584.76,12899.4 ; v1@4610.94,11942.01 4585.31,11905.81 ; v1(4616.13,12603.14) 4584.76,12571.77 ; v1(4616.13,12930.77) 4584.76,12899.4 ; v1(4616.68,11937.18) 4585.31,11905.81 ; v1@4620.97,12264.43 4584.76,12238.79 ; v1@4620.97,12597.41 4584.76,12571.77 ; v1@4620.97,12925.03 4584.76,12899.4 ; v1@4621.51,11931.44 4585.31,11905.81 ; 4467.43,12141.56 LD39.K@4467.43,12086.56 4467.43,12221.48 4484.74,12238.79 4584.76,12238.79 ; 4467.97,11808.58 LD55.K@4467.97,11753.58 4467.97,11888.5 4485.28,11905.81 4585.31,11905.81 ; 4584.76,12238.79 v1(4616.13,12270.16) 4584.76,12238.79
  BottomLayer w10: R197.2@4601.31,12983.84 v1@4616.14,12936.12 ; v1@4608.66,12269.5 4616.13,12227.66 v1@4623.6,12269.5 ; v1@4608.66,12270.82 4616.14,12312.66 v1@4623.6,12270.82 ; v1@4608.66,12602.48 4616.14,12560.64 v1@4623.6,12602.48 ; v1@4608.66,12603.8 4616.13,12645.64 v1@4623.6,12603.8 ; v1@4608.66,12930.1 4616.14,12888.27 ; v1@4608.66,12931.43 R197.2@4616.14,12973.27 ; v1@4608.75,12929.44 R197.2@4604.88,12972.37 ; v1@4609.09,12933.35 R197.2@4627.41,12972.36 ; v1@4609.2,11937.74 4616.14,11979.69 ; v1@4616.14,11937.18 4616.14,12476.74 4616.14,12489.78 v1@4616.14,12936.12 ; R197.2@4616.14,12986.09 v1@4616.14,12936.12 ; v1(4616.68,11937.18) 4616.14,11979.69 ; v1@4623.18,12933.35 R197.2@4604.88,12972.37 ; v1@4623.52,12929.44 R197.2@4627.41,12972.36 ; v1@4623.6,12930.11 4616.14,12888.27 ; v1@4623.6,12931.43 R197.2@4616.14,12973.27 ; v1@4624.14,11937.93 4616.14,11979.69 ; R197.2@4630.97,12983.84 v1@4616.14,12936.12 ; R197.2@4604.88,12972.37 v1(4616.13,12930.77) ; 4616.14,12888.27 v1(4616.13,12930.77) ; v1(4616.13,12930.77) R197.2@4616.14,12973.27 ; v1(4616.13,12930.77) R197.2@4627.41,12972.36